# Altium PCB MOTHER_BOARD_LS1021_v1.0.PcbDoc (part 6 of 15) (continued)
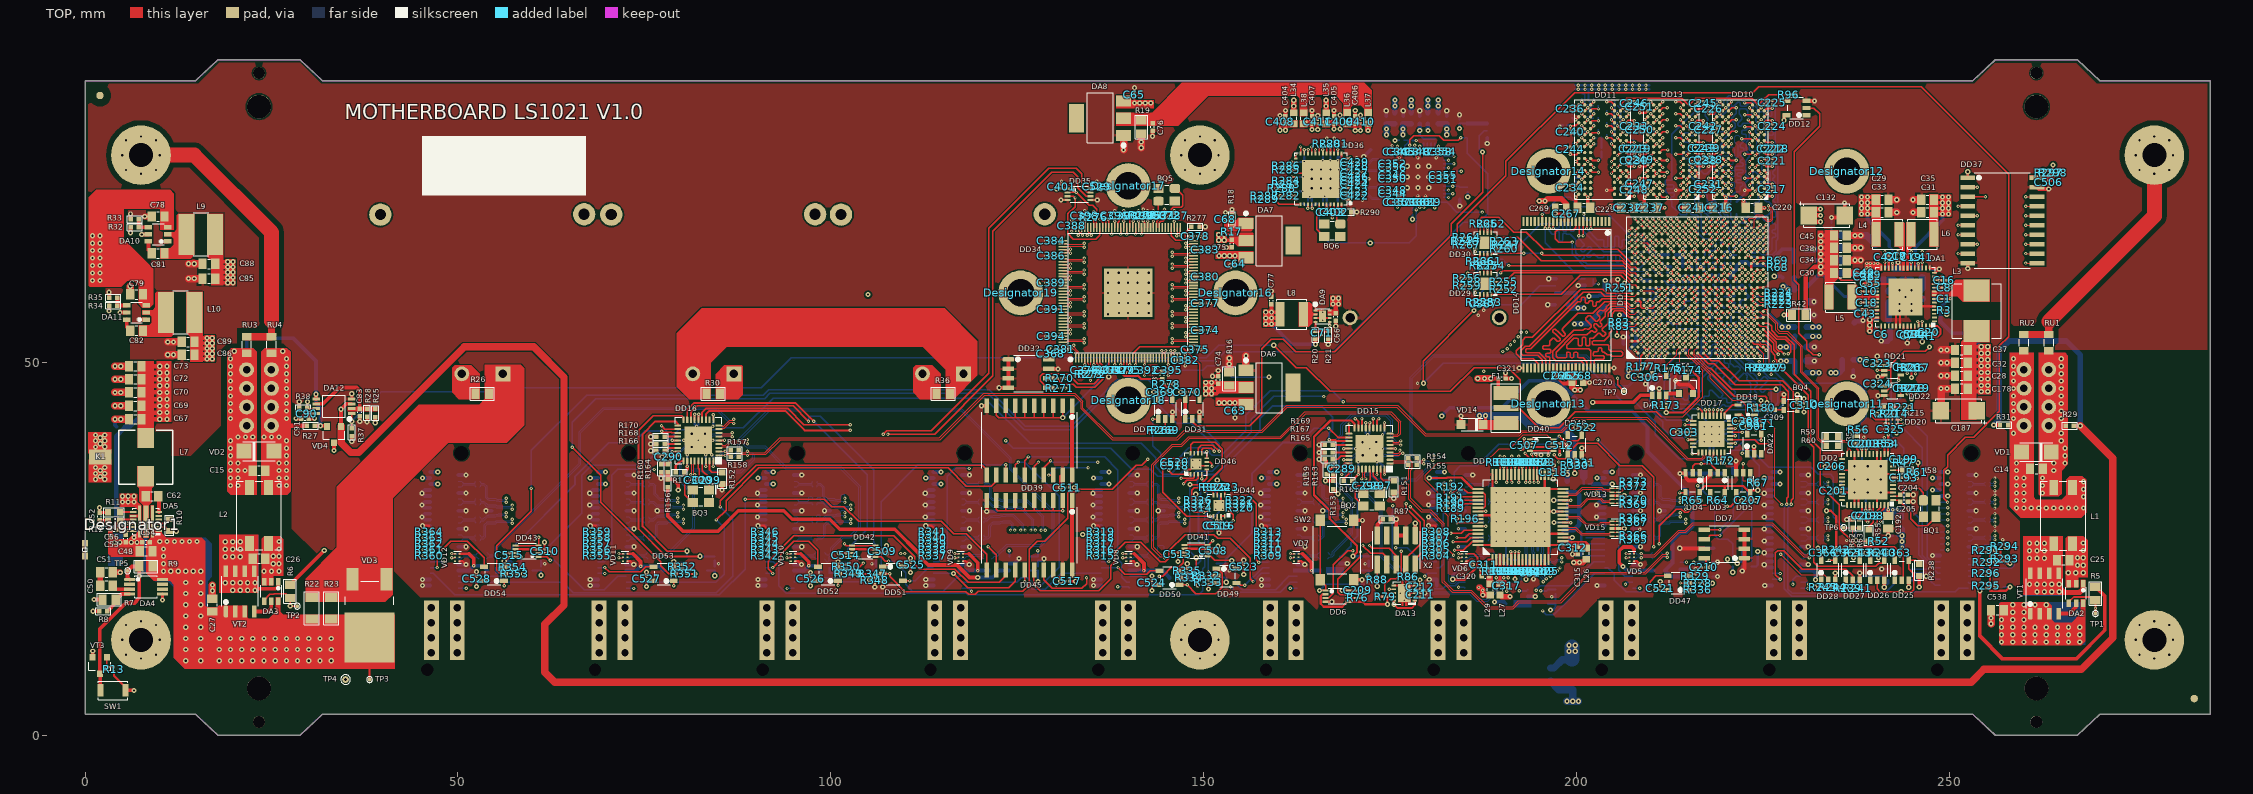
[diagram p0: TOP view]
## Nets (pads, with @x,y where several pads share a name; then routed paths per layer and width w, separated by ;. In a path a pad name is that pad's centre, name@x,y a point inside that pad or via, vN(x,y) a via of type N, cw(c..) or ccw(c..) an arc to the next point about the centre after c; other vN are vias at no path point) (continued)
DDR_DQ14: DD1.N20 DD10.B8 | length 22.6
  TOP w0.196: v1(216.65,66.05) DD1.N20@217.05,66.45 ; v1(219.2,72.95) DD10.B8@219.6,73.35
  SIGNAL1 w0.113: v1(216.65,66.05) 216.674,66.026 216.674,65.726 216.524,65.575 216.366,65.575 216.231,65.709 216.231,66.205 216.8,66.773 216.8,67.39 216.724,67.466 216.724,67.579 216.8,67.656 216.8,68.2 216.863,68.263 216.988,68.263 217.05,68.325 217.05,68.5 216.975,68.575 216.85,68.575 216.8,68.625 216.8,68.8 216.85,68.85 217.59,68.85 217.85,69.11 217.85,69.4 217.325,69.925 217.325,70.159 217.666,70.5 217.975,70.5 218.075,70.4 218.075,70.1 218.15,70.025 218.35,70.025 218.425,70.1 218.425,70.4 218.525,70.5 218.6,70.5 218.9,70.8 218.9,71 219,71.1 219.425,71.1 219.525,71.2 219.525,71.475 219.425,71.575 218.8,71.575 218.725,71.65 218.725,71.925 218.825,72.025 219.475,72.025 219.575,72.125 219.575,72.3 219.775,72.5 219.775,72.675 219.712,72.737 219.587,72.737 219.325,72.475 218.975,72.475 218.625,72.825 218.535,72.825 218.18,72.47 218.065,72.47 217.95,72.585 217.95,72.76 218.345,73.155 218.781,73.592 218.781,73.908 218.6,74.09 218.6,74.25 218.725,74.375 218.825,74.375 219.031,74.168 219.358,74.168 219.564,74.375 219.7,74.375 219.825,74.25 219.825,74.125 219.663,73.963 219.612,73.963 219.262,73.613 ; v1(219.2,72.95) 219,72.95 218.85,73.1 218.85,73.2 219.262,73.612
DDR_DQ15: DD1.N19 DD10.A3 | length 22.6
  TOP w0.196: DD1.N19@217.05,65.65 v1(217.45,66.05) ; v1(223.2,72.15) DD10.A3@223.6,72.55
  SIGNAL1 w0.113: v1(217.45,66.05) 217.3,66.2 217.3,66.375 217.375,66.45 218.525,66.45 218.631,66.556 218.631,67.018 218.5,67.15 218.5,67.325 218.6,67.425 218.725,67.425 218.881,67.268 219.208,67.268 219.431,67.492 219.431,67.771 219.729,68.068 220.008,68.068 220.444,68.505 220.444,69.05 220.544,69.15 220.65,69.15 220.875,68.925 221,68.925 221.068,68.993 221.068,69.768 221.55,70.25 221.725,70.25 221.8,70.175 221.8,69.75 221.9,69.65 222.05,69.65 222.15,69.75 222.15,71.25 222.25,71.35 222.35,71.35 222.45,71.25 222.45,69.75 222.55,69.65 222.7,69.65 222.781,69.731 222.781,69.9 222.856,69.975 223.124,69.975 223.25,70.101 223.25,70.225 223.175,70.3 222.856,70.3 222.781,70.375 222.781,70.575 222.881,70.675 223.625,70.675 223.7,70.75 223.7,70.95 223.6,71.05 222.881,71.05 222.781,71.15 222.781,71.325 222.856,71.4 223.625,71.4 223.7,71.475 223.7,71.675 223.625,71.75 222.881,71.75 222.781,71.85 222.781,72.043 222.668,72.156 222.418,72.156 222.375,72.2 222.375,72.55 222.5,72.675 222.95,72.675 223.2,72.425 v1(223.2,72.15)
DDR_DQ16: DD1.C23 DD13.E3 | length 19.2
  TOP w0.196: v1(208.65,69.25) DD1.C23@209.05,68.85 ; v1(213.95,75.35) DD13.E3@214.35,75.75
  SIGNAL1 w0.113: v1(208.65,69.25) 208.525,69.125 208.3,69.125 208.231,69.193 208.231,69.568 208.15,69.65 207.95,69.65 207.868,69.731 207.868,71.385 208.768,72.285 208.768,72.718 208.887,72.837 208.887,73.138 208.887,73.473 208.768,73.592 208.768,74.118 208.881,74.231 208.881,74.625 209.006,74.75 209.401,74.75 209.601,74.95 211,74.95 211.137,75.087 211.137,75.525 210.8,75.862 210.8,76.4 211.131,76.731 211.131,77.143 210.825,77.45 210.825,77.625 210.95,77.75 212.425,77.75 212.725,77.45 214.075,77.45 214.35,77.175 214.35,75.55 214.15,75.35 v1(213.95,75.35)
DDR_DQ17: DD1.D23 DD13.F7 | length 19.2
  TOP w0.196: v1(209.45,69.25) DD1.D23@209.85,68.85 ; DD13.F7@211.15,76.55 v1(211.55,76.15)
  SIGNAL1 w0.113: v1(209.45,69.25) 209.5,69.2 209.5,68.875 209.456,68.831 209.193,68.831 209.05,68.975 209.05,70.125 208.95,70.225 208.75,70.225 208.675,70.15 208.675,69.825 208.625,69.775 208.475,69.775 208.4,69.85 208.4,70.175 208.35,70.225 208.225,70.225 208.15,70.3 208.15,70.55 208.268,70.668 208.793,70.668 208.881,70.756 208.881,71.075 208.956,71.15 209.2,71.15 209.262,71.212 209.262,71.4 209.212,71.45 209.006,71.45 208.881,71.575 208.881,71.681 208.968,71.768 209.308,71.768 209.55,72.01 209.55,72.3 209.1,72.75 209.1,73.05 209.55,73.5 209.55,74.075 209.643,74.168 210.193,74.168 210.7,74.675 211.125,74.675 211.375,74.925 211.375,75.375 211.881,75.881 212.231,75.881 212.425,76.075 212.425,76.3 212.426,76.301 212.426,76.561 212.74,76.875 213.1,76.875 213.2,76.975 213.2,77.15 213.125,77.225 212.625,77.225 212.35,77.5 212.05,77.5 211.575,77.025 211.575,76.175 v1(211.55,76.15)
DDR_DQ18: DD1.H22 DD13.F2 | length 19.2
  TOP w0.196: v1(212.65,68.45) DD1.H22@213.05,68.05 ; DD13.F2@215.15,76.55 v1(215.55,76.15)
  SIGNAL1 w0.113: v1(212.65,68.45) 212.4,68.45 212.325,68.525 212.325,68.725 212.45,68.85 212.79,68.85 212.94,68.7 213.1,68.7 213.2,68.8 213.2,68.925 213.05,69.075 213.05,69.925 213.3,70.175 213.425,70.175 213.525,70.075 213.525,69.825 213.925,69.425 213.925,69.075 214.1,68.9 214.25,68.9 214.4,69.05 214.4,70 214.325,70.075 214.225,70.075 214.075,69.925 214,69.925 213.846,70.079 213.846,70.271 214.425,70.85 214.425,70.975 214.325,71.075 214.066,71.075 213.7,71.441 213.7,71.618 213.85,71.768 214.075,71.768 214.443,71.4 215.099,71.4 215.175,71.476 215.175,71.675 215.081,71.768 214.494,71.768 214.331,71.931 214.331,72.318 214.225,72.425 214.225,72.575 214.35,72.7 214.46,72.7 214.61,72.55 215,72.55 215.15,72.7 215.15,74.15 215.2,74.2 215.2,75.1 215,75.3 215,76.25 215.1,76.35 215.35,76.35 v1(215.55,76.15)
DDR_DQ19: DD1.J23 DD13.F8 | length 19.2
  TOP w0.196: v1(209.95,76.15) DD13.F8@210.35,76.55 ; v1(213.45,69.25) DD1.J23@213.85,68.85
  SIGNAL1 w0.113: v1(209.95,76.15) 209,76.15 208.475,75.625 207.9,75.625 207.481,75.206 207.481,75.131 207.281,74.931 206.906,74.931 206.7,74.725 206.7,71.175 207.05,70.825 207.05,69.209 207.604,68.655 207.905,68.655 208.51,68.05 213.6,68.05 213.85,68.3 213.85,68.849 v1(213.45,69.25)
DDR_DQ20: DD1.B23 DD13.H3 | length 19.2
  TOP w0.196: v1(207.85,69.25) DD1.B23@208.25,68.85 ; v1(213.3,77.9) 214.1,77.9 DD13.H3@214.35,78.15
  SIGNAL1 w0.113: v1(207.85,69.25) 207.625,69.475 207.625,71.525 208.35,72.25 208.35,72.45 207.725,73.075 207.725,73.275 207.931,73.481 208.431,73.481 208.5,73.55 208.5,74.15 208.455,74.195 207.995,74.195 207.875,74.315 207.875,74.775 208.2,75.1 208.86,75.1 208.992,74.968 209.318,74.968 209.87,75.52 210.16,75.52 210.544,75.904 210.544,76.48 210.28,76.744 209.68,76.744 209.6,76.825 209.6,77.1 209.675,77.175 210.05,77.175 210.375,77.5 210.375,78.225 210.525,78.375 210.675,78.375 210.775,78.275 210.775,78.1 210.875,78 212.536,78 212.636,77.9 v1(213.3,77.9)
DDR_DQ21: DD1.D22 DD13.H8 | length 19.2
  TOP w0.196: v1(209.45,68.45) DD1.D22@209.85,68.05 ; v1(209.95,77.75) DD13.H8@210.35,78.15
  SIGNAL1 w0.113: v1(209.45,68.45) 209.2,68.45 208.781,68.868 207.692,68.868 207.368,69.192 207.368,72.458 207.481,72.571 207.481,73.629 207.368,73.742 207.368,74.058 207.481,74.171 207.481,74.731 208.1,75.35 208.575,75.35 208.975,75.75 210.089,75.75 210.331,75.992 210.331,76.308 210.108,76.531 208.808,76.531 208.658,76.681 207.618,76.681 207.525,76.775 207.525,77.225 207.7,77.4 208.625,77.4 208.775,77.55 209.35,77.55 209.5,77.4 209.725,77.4 209.95,77.625 v1(209.95,77.75)
DDR_DQ22: DD1.G23 DD13.G2 | length 19.2
  TOP w0.196: v1(211.85,69.25) DD1.G23@212.25,68.85 ; DD13.G2@215.15,77.35 v1(215.55,76.95)
  SIGNAL1 w0.113: v1(211.85,69.25) 211.85,68.975 211.95,68.875 212.125,68.875 212.268,69.018 212.268,69.968 212.825,70.525 212.825,72.075 213.681,72.931 213.681,73.258 213.568,73.371 213.568,74.418 214.563,75.413 214.563,77.287 214.187,77.663 213.8,77.663 213.7,77.763 213.7,78.04 213.458,78.281 213.081,78.281 212.975,78.175 212.8,78.175 212.725,78.25 212.725,78.475 212.8,78.55 213.85,78.55 213.95,78.45 213.95,78.275 214.025,78.2 214.2,78.2 214.3,78.3 214.3,78.475 214.375,78.55 215.05,78.55 215.55,78.05 215.55,77.9 215.425,77.775 215.25,77.775 215.15,77.675 215.15,77.55 215.25,77.45 215.475,77.45 215.55,77.375 v1(215.55,76.95)
DDR_DQ23: DD1.H23 DD13.H7 | length 19.2
  TOP w0.196: DD13.H7@211.15,78.15 211.499,78.499 v1(212.251,78.499) ; v1(212.65,69.25) DD1.H23@213.05,68.85
  SIGNAL1 w0.113: v1(212.251,78.499) 212.553,78.8 215.225,78.8 215.7,78.325 216.475,78.325 216.575,78.225 216.575,77.925 216.475,77.825 216.106,77.825 215.931,77.65 215.931,76.706 215.793,76.568 215.331,76.568 215.125,76.775 215.125,77.225 215.025,77.325 214.875,77.325 214.776,77.226 214.776,75.116 214.368,74.708 214.368,73.418 213.894,72.944 213.894,72.634 213.475,72.215 213.475,71.366 213.118,71.01 213.118,70.343 212.65,69.875 v1(212.65,69.25)
DDR_DQ24: DD1.D19 DD13.D7 | length 15.9
  TOP w0.149: v1(208.65,66.05) 209.45,66.05
  TOP w0.196: 209.45,66.05 DD1.D19@209.85,65.65 ; DD13.D7@211.15,74.95 v1(211.775,74.95)
  SIGNAL2 w0.113: v1(208.65,66.05) 208.65,65.75 208.575,65.675 208.325,65.675 208.231,65.768 208.231,66.208 207.971,66.468 207.692,66.468 207.468,66.692 207.468,67.1 207.3,67.268 206.892,67.268 206.45,67.71 206.45,70.46 209.937,73.947 209.937,74.079 210.521,74.663 210.863,74.663 211.15,74.95 v1(211.775,74.95)
DDR_DQ25: DD1.E20 DD13.C3 | length 15.9
  TOP w0.196: DD1.E20@210.65,66.45 v1(211.05,66.05) ; v1(213.95,73.75) DD13.C3@214.35,74.15
  SIGNAL2 w0.113: v1(211.05,66.05) 211.05,66.35 211.55,66.85 212.075,66.85 212.456,67.231 212.831,67.231 213.031,67.431 213.031,67.808 212.771,68.068 212.492,68.068 212.25,68.31 212.25,69.65 212.35,69.75 212.75,69.75 212.825,69.825 212.825,71.65 212.6,71.875 212.6,72.95 212.45,73.1 212.45,73.375 212.6,73.525 212.6,74.175 212.725,74.3 212.85,74.3 212.95,74.2 212.95,73.85 213.037,73.763 213.188,73.763 213.275,73.85 213.275,74.225 213.35,74.3 213.525,74.3 213.681,74.456 213.681,74.831 213.775,74.925 214.025,74.925 214.1,74.85 214.1,73.9 v1(213.95,73.75)
DDR_DQ26: DD1.H21 DD13.C8 | length 15.9
  TOP w0.196: DD13.C8@210.35,74.15 v1(210.75,73.75) ; v1(212.65,67.65) DD1.H21@213.05,67.25
  SIGNAL2 w0.113: v1(210.75,73.75) 210.8,73.7 210.8,72.625 210.325,72.15 210.325,71.975 210.412,71.887 210.412,71.737 210.325,71.65 210.2,71.65 210.075,71.775 209.95,71.775 209.825,71.65 209.825,71.5 209.95,71.375 209.95,71.25 209.8,71.1 209.675,71.1 209.55,71.225 209.4,71.225 209.307,71.132 209.307,70.642 209.4,70.55 209.725,70.55 209.85,70.425 209.85,70.225 209.7,70.075 209.4,70.075 209.281,69.956 209.281,69.768 209.4,69.65 209.725,69.65 209.85,69.525 209.85,68.31 209.608,68.068 209.468,68.068 209.35,67.95 209.35,67.625 209.475,67.5 209.7,67.5 209.868,67.668 209.868,67.808 210.092,68.031 210.493,68.031 210.65,67.875 210.65,66.85 210.825,66.675 211,66.675 211.1,66.775 211.1,67.15 211.175,67.225 212.149,67.225 212.574,67.65 v1(212.65,67.65)
DDR_DQ27: DD1.J21 DD13.C2 | length 15.9
  TOP w0.196: v1(213.45,67.65) DD1.J21@213.85,67.25 ; v1(214.75,73.75) DD13.C2@215.15,74.15
  SIGNAL2 w0.113: v1(213.45,67.65) 213.45,67.691 213.05,68.091 213.05,71.9 212.875,72.075 212.875,73.3 213.125,73.55 213.55,73.55 213.731,73.368 214.112,73.368 214.331,73.588 214.331,76.631 214.575,76.875 214.75,76.875 215.025,76.6 215.025,75.025 215.275,74.775 215.275,74.316 214.75,73.791 v1(214.75,73.75)
DDR_DQ28: DD1.C20 DD13.A7 | length 15.9
  TOP w0.196: DD1.C20@209.05,66.45 v1(209.45,66.85) ; DD13.A7@211.15,72.55 211.525,72.175 v1(212.2,72.175)
  SIGNAL2 w0.113: v1(209.45,66.85) 209.45,67.125 209.068,67.506 209.068,67.65 208.968,67.75 208.65,67.75 208.55,67.85 208.55,68 208.618,68.068 208.968,68.068 209.068,68.168 209.068,68.581 208.925,68.725 208.925,68.985 209.068,69.129 209.068,69.85 208.968,69.95 208.675,69.95 208.575,70.05 208.575,70.275 208.65,70.35 208.975,70.35 209.094,70.469 209.094,71.244 210.587,72.737 210.587,73.338 210.368,73.556 210.368,73.908 210.592,74.131 212.268,74.131 212.35,74.05 212.35,73.875 212.3,73.825 212.05,73.825 211.95,73.725 211.95,73.575 212.025,73.5 212.125,73.5 212.2,73.425 v1(212.2,72.175)
DDR_DQ29: DD1.D21 DD13.A2 | length 15.9
  TOP w0.196: DD1.D21@209.85,67.25 v1(210.25,66.85) ; v1(214.75,72.15) DD13.A2@215.15,72.55
  SIGNAL2 w0.113: v1(210.25,66.85) 210.65,66.45 210.65,65.91 210.91,65.65 211.2,65.65 211.468,65.918 211.468,66.208 211.729,66.468 212.8,66.468 213.031,66.237 213.031,65.843 214.043,64.831 214.481,64.831 215.45,65.8 215.45,67.05 215.231,67.268 214.892,67.268 214.668,67.492 214.668,69.408 214.75,69.49 v1(214.75,72.15)
DDR_DQ30: DD1.G20 DD13.B8 | length 15.9
  TOP w0.196: v1(209.95,72.95) DD13.B8@210.35,73.35 ; DD1.G20@212.25,66.45 v1(212.65,66.05)
  SIGNAL2 w0.113: v1(209.95,72.95) 209.325,72.95 207.15,70.775 207.15,68.093 207.468,67.775 207.468,67.492 207.692,67.268 207.971,67.268 208.231,67.008 208.231,66.693 208.456,66.468 208.931,66.468 209.768,65.631 210.408,65.631 210.69,65.35 211.275,65.35 211.425,65.2 211.425,64.775 211.525,64.675 211.7,64.675 211.825,64.8 211.825,65.262 212.613,66.05 v1(212.65,66.05)
DDR_DQ31: DD1.J20 DD13.A3 | length 15.9
  TOP w0.196: v1(213.45,66.85) DD1.J20@213.85,66.45 ; v1(213.95,72.15) DD13.A3@214.35,72.55
  SIGNAL2 w0.113: v1@213.475,66.825 v1(213.45,66.85) 213.7,66.85 214.1,67.25 214.5,67.25 214.65,67.1 214.65,66.6 214.481,66.431 213.138,66.431 213.031,66.538 213.031,67.13 213.17,67.268 213.608,67.268 213.85,67.51 213.85,69.95 213.925,70.025 214.05,70.025 214.15,70.125 214.15,70.324 214.137,70.337 ; v1(213.95,72.15) 214.1,72.3 214.1,72.975 214.025,73.05 213.8,73.05 213.468,72.718 213.318,72.718 213.088,72.488 213.088,72.2 213.263,72.025 213.263,71.8 213.388,71.675 214.075,71.675 214.125,71.625 214.125,71.325 214.075,71.275 213.55,71.275 213.263,70.988 213.263,70.687 213.531,70.418 214.056,70.418 214.137,70.338
DDR_DQS0_N: DD1.N22 DD10.G3 | length 19.6
  TOP w0.12: DD1.N22@217.05,68.05 v1(217.45,68.45) ; v1(223.2,76.95) DD10.G3@223.6,77.35
  SIGNAL2 w0.075: v1(217.45,68.45) 217.007,68.892 217.007,69.433 217.429,69.855 217.894,69.855 219.519,71.48 221.37,71.48 221.445,71.405 223.155,71.405 224.37,72.62 224.37,73.23 224.182,73.417 224.182,74.093 224.37,74.281 224.37,74.694 224.039,75.025 223.748,75.025 222.806,74.082 222.294,74.082 221.932,74.444 221.932,74.457 221.92,74.469 221.92,75.895 222.702,76.677 222.952,76.677 223.2,76.925 v1(223.2,76.95)
DDR_DQS0_P: DD1.N23 DD10.F3 | length 21.5
  TOP w0.12: DD1.N23@217.05,68.85 v1(217.45,69.25) ; v1(223.2,76.15) DD10.F3@223.6,76.55
  SIGNAL2 w0.075: v1(217.45,69.25) 217.45,69.076 217.701,68.825 217.8,68.825 217.887,68.912 217.887,69.487 218.217,69.817 ; v1(223.2,76.15) 223.2,76.175 222.952,76.422 222.808,76.422 222.175,75.789 222.175,74.575 222.187,74.562 222.187,74.55 222.4,74.337 222.7,74.337 222.738,74.375 223.643,75.28 224.145,75.28 224.625,74.8 224.625,74.175 224.437,73.987 224.437,73.523 224.625,73.336 224.625,72.514 223.261,71.15 221.339,71.15 221.264,71.225 219.625,71.225 219.224,70.824 ; 218.217,69.817 cw(c218.323,69.711) 218.429,69.817 ; 218.217,69.817 cw(c218.323,69.711) 218.429,69.817 ; 218.429,69.817 218.458,69.788 ; 218.458,69.788 ccw(c218.564,69.894) 218.67,69.788 ; 218.458,69.788 ccw(c218.564,69.894) 218.67,69.788 ; 218.67,69.788 218.723,69.841 ; 218.694,70.082 cw(c218.8,70.188) 218.694,70.294 ; 218.694,70.082 cw(c218.8,70.188) 218.694,70.294 ; 218.694,70.082 218.723,70.053 ; 218.694,70.294 218.747,70.347 ; 218.723,69.841 ccw(c218.617,69.947) 218.723,70.053 ; 218.723,69.841 ccw(c218.617,69.947) 218.723,70.053 ; 218.747,70.347 cw(c218.853,70.241) 218.959,70.347 ; 218.747,70.347 cw(c218.853,70.241) 218.959,70.347 ; 218.959,70.347 218.988,70.318 ; 218.988,70.318 ccw(c219.094,70.424) 219.2,70.318 ; 218.988,70.318 ccw(c219.094,70.424) 219.2,70.318 ; 219.2,70.318 219.253,70.371 ; 219.224,70.612 cw(c219.33,70.718) 219.224,70.824 ; 219.224,70.612 cw(c219.33,70.718) 219.224,70.824 ; 219.224,70.612 219.253,70.583 ; 219.253,70.371 ccw(c219.147,70.477) 219.253,70.583 ; 219.253,70.371 ccw(c219.147,70.477) 219.253,70.583
DDR_DQS1_N: DD1.M20 DD10.B7 | length 22.6
  TOP w0.12: v1(215.85,66.85) DD1.M20@216.25,66.45 ; DD10.B7@220.4,73.35 v1(220.8,72.95)
  SIGNAL1 w0.075: v1(215.85,66.85) 216.175,66.85 216.53,67.205 216.53,68.88 216.955,69.305 216.955,70.181 216.225,70.911 216.225,71.75 216.325,71.85 216.539,71.85 216.914,71.475 217.275,71.475 218.005,70.745 218.406,70.745 218.63,70.969 218.63,71.381 218.005,72.006 218.005,72.256 216.25,74.011 216.25,74.1 216.625,74.475 217.025,74.475 217.63,73.87 217.906,73.87 219.186,75.15 219.275,75.15 220.4,74.025 220.4,73.55 220.6,73.35 221.175,73.35 221.25,73.275 221.25,72.65 221.1,72.5 220.95,72.5 220.8,72.65 v1(220.8,72.95)
DDR_DQS1_P: DD1.M19 DD10.C7 | length 22.6
  TOP w0.12: v1(215.85,66.05) DD1.M19@216.25,65.65 ; DD10.C7@220.4,74.15 v1(220.8,73.75)
  SIGNAL1 w0.075: v1(215.85,66.05) 215.85,66.15 215.45,66.55 215.45,67.125 215.575,67.25 216.125,67.25 216.275,67.4 216.275,68.986 216.7,69.411 216.7,70.075 215.97,70.805 215.97,71.856 216.219,72.105 216.645,72.105 217.02,71.73 217.381,71.73 218.111,71 218.3,71 218.375,71.075 218.375,71.275 217.75,71.9 217.75,72.15 215.995,73.905 215.995,74.206 216.519,74.73 217.131,74.73 217.736,74.125 217.8,74.125 219.08,75.405 219.381,75.405 220.586,74.2 220.637,74.2 220.65,74.187 220.962,74.187 221.1,74.05 221.1,73.825 221.025,73.75 v1(220.8,73.75)
DDR_DQS2_N: DD1.F22 DD13.G3 | length 19.2
  TOP w0.12: v1(211.05,68.45) DD1.F22@211.45,68.05 ; v1(213.95,76.95) DD13.G3@214.35,77.35
  SIGNAL1 w0.075: v1(211.05,68.45) 210.675,68.825 210.675,69.625 211.38,70.33 211.98,70.33 212.35,70.7 212.35,70.975 212.162,71.162 211.723,71.162 210.781,70.22 210.205,70.22 209.82,70.605 209.82,71.12 210.3,71.6 211.02,71.6 211.42,72 211.42,72.281 212.42,73.281 212.42,73.506 212.639,73.725 213,73.725 213.05,73.775 213.05,74.025 212.98,74.095 212.594,74.095 212.394,74.295 212.394,75.155 212.614,75.375 213.25,75.375 213.325,75.45 213.325,75.625 213.23,75.72 212.819,75.72 212.62,75.919 212.62,76.481 212.817,76.677 213.677,76.677 v1(213.95,76.95)
DDR_DQS2_P: DD1.F23 DD13.F3 | length 19.2
  TOP w0.12: v1(211.05,69.25) DD1.F23@211.45,68.85 ; v1(213.95,76.15) DD13.F3@214.35,76.55
  SIGNAL1 w0.075: v1(211.05,69.25) 211.05,69.075 211.232,68.892 211.263,68.863 211.363,68.863 211.45,68.95 211.45,70 211.525,70.075 212.086,70.075 212.605,70.594 212.605,71.081 212.268,71.417 211.617,71.417 210.675,70.475 210.311,70.475 210.075,70.711 210.075,71.014 210.406,71.345 211.126,71.345 211.675,71.894 211.675,72.175 212.149,72.649 212.299,72.649 212.414,72.534 212.564,72.534 212.715,72.685 212.715,72.835 212.6,72.95 212.6,73.1 212.675,73.175 212.675,73.4 212.745,73.47 213.106,73.47 213.305,73.669 213.305,74.131 213.086,74.35 212.7,74.35 212.649,74.401 212.649,75.049 212.72,75.12 213.356,75.12 213.58,75.344 213.58,75.731 213.336,75.975 212.925,75.975 212.875,76.025 212.875,76.375 212.922,76.422 213.877,76.422 213.95,76.35 v1(213.95,76.15)
DDR_DQS3_N: DD1.F21 DD13.B7 | length 15.9
  TOP w0.12: v1(211.05,67.65) DD1.F21@211.45,67.25 ; DD13.B7@211.15,73.35 v1(211.55,72.95)
  SIGNAL2 w0.075: v1(211.05,67.65) 211.075,67.625 211.35,67.625 211.475,67.75 211.475,67.875 211.3,68.05 210.75,68.05 210.65,68.149 210.65,69.4 211.175,69.925 211.494,69.925 211.869,70.3 212.275,70.3 212.35,70.375 212.35,71.425 212.25,71.525 211.961,71.525 211.33,70.895 211.33,70.745 211.475,70.6 211.475,70.45 211.425,70.4 211.275,70.4 211.105,70.57 211.005,70.57 210.955,70.519 210.955,70.005 210.725,69.775 210.325,69.775 210.095,70.005 210.095,71.081 210.664,71.65 210.975,71.65 211.55,72.225 211.55,72.4 211.275,72.675 211.15,72.675 211.05,72.775 211.05,73.075 211.125,73.15 211.35,73.15 v1(211.55,72.95)
DDR_DQS3_P: DD1.G21 DD13.C7 | length 15.9
  TOP w0.12: DD13.C7@211.15,74.15 v1(211.55,73.75) ; v1(211.85,67.65) DD1.G21@212.25,67.25
  SIGNAL2 w0.075: v1(211.55,73.75) 211.4,73.9 211.2,73.9 211.125,73.825 211.125,73.6 211.375,73.35 211.776,73.35 211.992,73.133 211.992,72.767 211.805,72.579 211.805,72.119 211.081,71.395 210.77,71.395 210.35,70.975 210.35,70.111 210.431,70.03 210.619,70.03 210.7,70.111 210.7,70.625 211.855,71.78 212.356,71.78 212.605,71.531 212.605,70.269 212.381,70.045 211.975,70.045 211.45,69.52 211.45,68.275 211.725,68 212.225,68 212.3,67.925 212.3,67.75 212.2,67.65 v1(211.85,67.65)
DDR_DQS8_N: DD1.A20 DD11.G3 | length 26.4
  TOP w0.12: v1(204.7,76.95) DD11.G3@205.1,77.35 ; v1(207.05,66.05) DD1.A20@207.45,66.45
  SIGNAL1 w0.075: v1(204.7,76.95) 204.427,76.677 204.275,76.677 203.95,77.002 203.95,77.231 203.376,77.805 201.344,77.805 200.045,76.506 200.045,75.894 201.095,74.844 201.095,72.899 201.344,72.65 202.175,72.65 202.325,72.5 202.325,72.35 201.595,71.62 201.595,70.669 201.936,70.328 202.307,70.328 202.588,70.61 202.748,70.61 202.85,70.507 202.85,70.348 202.398,69.897 202.398,69.526 202.65,69.274 203.021,69.274 203.105,69.359 203.265,69.359 203.367,69.257 203.367,69.097 203.129,68.86 203.129,68.489 203.381,68.237 203.752,68.237 203.989,68.475 204.149,68.475 204.251,68.373 204.251,68.213 204.112,68.075 204.112,67.704 204.364,67.453 204.735,67.453 204.873,67.591 205.032,67.591 205.135,67.489 205.135,67.329 204.763,66.957 204.763,66.587 205.014,66.335 205.385,66.335 205.577,66.528 205.737,66.528 205.942,66.322 206.777,66.322 v1(207.05,66.05)
DDR_DQS8_P: DD1.A21 DD11.F3 | length 26.4
  TOP w0.12: v1(204.7,76.15) DD11.F3@205.1,76.55 ; v1(207.05,66.85) DD1.A21@207.45,67.25
  SIGNAL1 w0.075: v1(204.7,76.15) 204.7,75.8 204.65,75.75 204.425,75.75 204.25,75.925 204.25,76.342 203.695,76.897 203.695,77.125 203.27,77.55 201.45,77.55 200.3,76.4 200.3,76 201.35,74.95 201.35,73.005 201.45,72.905 202.281,72.905 202.58,72.606 202.58,72.244 201.85,71.514 201.85,70.775 202.042,70.583 202.201,70.583 202.483,70.865 202.853,70.865 203.105,70.613 203.105,70.242 202.653,69.791 202.653,69.631 202.756,69.529 202.915,69.529 202.999,69.614 203.37,69.614 203.622,69.362 203.622,68.991 203.384,68.754 203.384,68.595 203.486,68.492 203.646,68.492 203.883,68.73 204.254,68.73 204.506,68.478 204.506,68.108 204.367,67.969 204.367,67.81 204.47,67.708 204.629,67.708 204.767,67.846 205.138,67.846 205.39,67.594 205.39,67.224 205.018,66.852 205.018,66.692 205.12,66.59 205.279,66.59 205.472,66.783 205.842,66.783 206.047,66.577 206.852,66.577 207.05,66.775 v1(207.05,66.85)
DDR_ECC0: DD1.B19 DD11.E3 | length 26.4
  TOP w0.196: v1(204.7,75.35) DD11.E3@205.1,75.75 ; v1(207.85,65.25) DD1.B19@208.25,65.65
  SIGNAL1 w0.113: v1(204.7,75.35) 205.081,75.731 205.081,77.108 204.09,78.1 200.45,78.1 199.518,77.168 199.518,76.792 199.631,76.679 199.631,76.142 199.518,76.029 199.518,75.192 200.35,74.36 200.35,71.3 202.425,69.225 202.425,68.65 206.206,64.868 207.275,64.868 207.656,65.25 v1(207.85,65.25)
DDR_ECC1: DD1.A19 DD11.F7 | length 26.4
  TOP w0.196: DD11.F7@201.9,76.55 v1(202.3,76.15) ; v1(207.05,65.25) DD1.A19@207.45,65.65
  SIGNAL1 w0.113: v1(202.3,76.15) 202.3,73.6 203.4,72.5 203.4,72.275 203.478,72.196 203.502,72.196 203.581,72.118 203.581,71.962 203.502,71.883 203.059,71.883 202.981,71.805 202.981,71.649 203.059,71.57 203.689,71.57 203.767,71.492 203.767,71.336 203.689,71.257 203.048,71.257 202.97,71.179 202.97,71.023 203.048,70.944 203.322,70.944 203.4,70.866 203.4,70.475 203.507,70.368 203.507,70.258 203.309,70.06 203.309,69.949 203.42,69.839 203.53,69.839 204.21,70.518 204.32,70.518 204.431,70.407 204.431,70.296 204.005,69.87 203.752,69.617 203.752,69.507 203.862,69.396 203.973,69.396 204.226,69.649 204.665,70.088 204.775,70.088 204.886,69.977 204.886,69.866 204.447,69.428 204.194,69.175 204.194,69.064 204.305,68.953 204.416,68.953 204.669,69.206 205.131,69.669 205.242,69.669 205.353,69.558 205.353,69.448 204.89,68.985 204.637,68.732 204.637,68.621 204.748,68.511 204.858,68.511 205.111,68.764 205.178,68.83 205.288,68.83 205.399,68.719 205.399,68.609 205.333,68.542 205.08,68.289 205.08,68.179 205.19,68.068 205.301,68.068 205.499,68.266 205.609,68.266 205.72,68.155 205.72,68.044 205.522,67.847 205.522,67.736 205.633,67.625 205.744,67.625 205.941,67.823 206.052,67.823 206.163,67.712 206.163,67.602 205.965,67.404 205.965,67.293 206.076,67.183 206.186,67.183 206.384,67.38 206.495,67.38 206.643,67.231 207.208,67.231 207.431,67.008 207.431,65.631 v1(207.05,65.25)
DDR_ECC2: DD1.C21 DD11.F2 | length 26.4
  TOP w0.196: v1(205.5,76.15) DD11.F2@205.9,76.55 ; v1(208.65,66.85) DD1.C21@209.05,67.25
  SIGNAL1 w0.113: v1(205.5,76.15) 205.525,76.15 205.9,76.525 205.9,77.95 206.175,78.225 206.425,78.225 206.7,77.95 206.7,76.81 207.3,76.21 207.3,76 207.15,75.85 206.2,75.85 205.85,75.5 205.5,75.5 205.1,75.1 205.1,74.075 205.255,73.92 205.401,73.92 205.467,73.986 205.613,73.986 205.759,73.84 205.759,73.694 205.62,73.555 205.599,73.534 205.599,73.388 205.745,73.242 205.933,73.242 206.35,72.825 206.35,72.326 206.487,72.189 206.487,71.983 206.384,71.88 206.241,71.88 206.138,71.776 206.138,71.57 206.241,71.467 206.384,71.467 206.487,71.363 206.487,71.157 206.384,71.054 206.241,71.054 206.138,70.95 206.138,70.744 206.241,70.641 206.547,70.641 206.65,70.537 206.65,70.331 206.547,70.228 206.453,70.228 206.35,70.124 206.35,69.608 207.516,68.442 207.732,68.442 208.338,67.837 209.613,67.837 209.85,67.6 209.85,67.4 210,67.25 211.225,67.25 211.325,67.15 211.325,66.675 211.1,66.45 208.95,66.45 208.65,66.75 v1(208.65,66.85)
DDR_ECC3: DD1.B22 DD11.F8 | length 26.4
  TOP w0.196: v1(200.7,76.15) DD11.F8@201.1,76.55 ; v1(207.85,67.65) DD1.B22@208.25,68.05
  SIGNAL1 w0.113: v1(200.7,76.15) 201.075,76.525 201.4,76.525 201.5,76.425 201.5,75.8 201.55,75.75 201.825,75.75 201.9,75.825 201.9,77.225 201.975,77.3 202.25,77.3 202.325,77.225 202.325,76.631 202.425,76.531 202.55,76.531 202.681,76.4 202.681,75.993 202.793,75.881 203.031,75.881 203.15,76 203.15,76.406 203.275,76.531 203.368,76.531 203.608,76.292 203.749,76.292 203.86,76.181 203.86,76.071 203.407,75.618 203.407,75.507 203.517,75.396 203.628,75.396 204.01,75.779 204.121,75.779 204.225,75.675 204.225,75.284 204.147,75.205 204.061,75.205 203.983,75.127 203.983,74.971 204.061,74.892 204.809,74.892 204.887,74.814 204.887,74.658 204.809,74.579 204.061,74.579 203.983,74.501 203.983,74.345 204.061,74.266 204.809,74.266 204.887,74.188 204.887,74.032 204.809,73.953 204.303,73.953 204.225,73.875 204.225,73.465 204.723,72.967 204.834,72.967 205.221,73.354 205.332,73.354 205.443,73.244 205.443,73.133 205.055,72.745 205.055,72.635 205.166,72.524 205.276,72.524 205.758,73.005 205.868,73.005 205.979,72.895 205.979,72.784 205.442,72.247 205.405,72.21 205.405,72.099 205.516,71.989 205.626,71.989 205.701,71.989 205.925,71.765 205.925,71.55 205.725,71.35 205.725,71.225 205.925,71.025 205.925,70.725 205.725,70.525 205.725,70.175 205.925,69.975 205.925,69.732 207.607,68.05 207.75,68.05 207.85,67.95 v1(207.85,67.65)